# KiCad board PANEL7x5_ADS1293.kicad_pcb (continued)
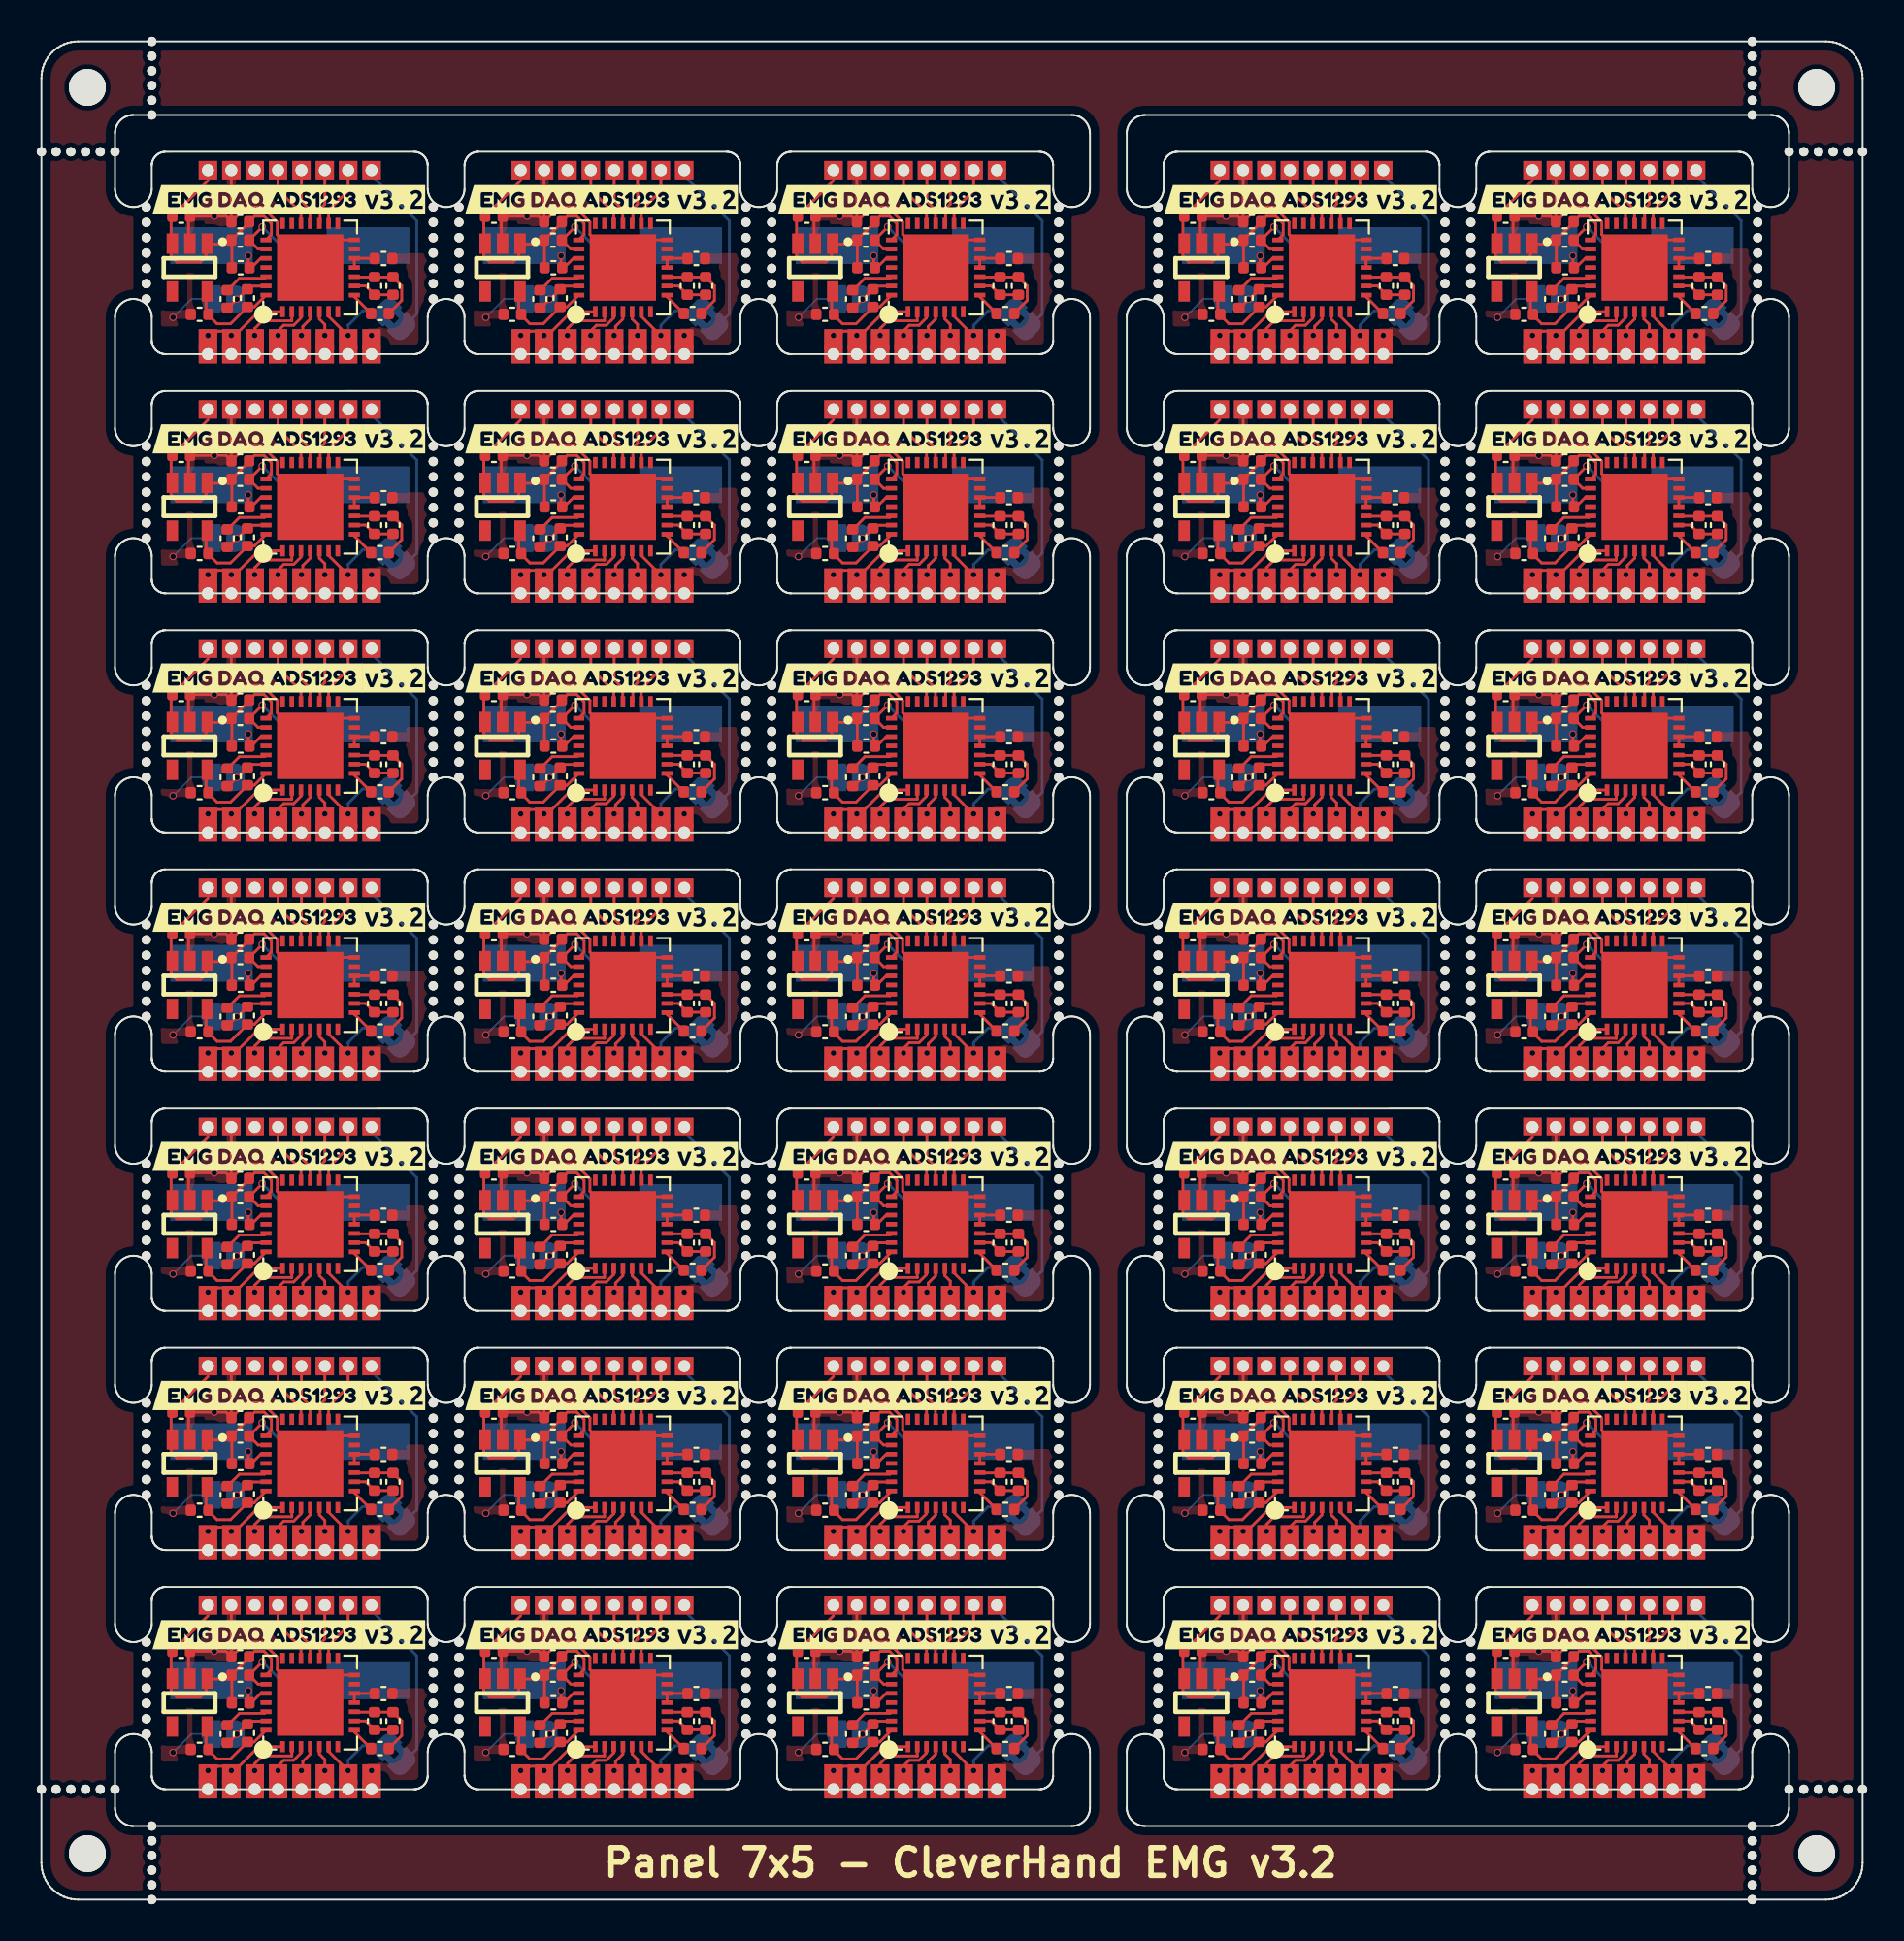
[diagram p0: board, top side]
## Routing (per net, layer and track width the routed paths; a pad name or vN(x,y) marks a point on that pad's centre or on a via; arc(x,y) is an arc through that point) (continued)
Board_17-+3.3VA: length 5.5
  Top w0.15: 42.95,48.62 42.95,47.3 C8#28.1 43.08,47.12 43.55,46.65 44.28,46.65 C1#3.1 45.57,47.57 U1.28
Board_17-/CMOUT: length 1.4
  Top w0.15: R1#7.2 51.01,48.12 U1.8
Board_17-/CSB: length 3.3
  Top w0.15: J12#23.1 50.68,53.88 49.61,52.81 U1.16
Board_17-/cvref: length 2.4
  Top w0.15: U1.26 46.12,49.12 44.77,49.12 44.12,48.48 C2#35.1
Board_17-/extRef: length 9.5
  Bottom w0.15: JP2#27.1 54.4,47.18 54.4,52.25 52.15,54.5 ; 52.15,55 J7#3.1
Board_17-/in1: length 6.5
  Top w0.15: 44.33,45.09 44.3,45.09 44.3,46 v1(44.33,46.02) 44.3,46.04 44.3,46.25 ; 44.3,46.25 43.57,46.25 43.34,46.02 v1(43.05,46.02) ; 44.3,46.25 44.75,46.25 45.81,47.31 U1.1 ; 43.05,45.73 J2#20.1
Board_17-/in2: length 4
  Top w0.15: U1.2 47.61,46.81 46.01,46.81 45.59,46.4 v1(45.59,46.02) 45.59,45.09
Board_17-/in3: length 3.1
  Top w0.15: J5#35.1 v1(46.87,46.02) 46.87,46.27 47.17,46.57 47.71,46.57 48.11,46.97 U1.3
Board_17-/in4: length 2.6
  Top w0.15: U1.4 48.61,46.91 48.21,46.51 48.21,46.09 v1(48.14,46.02) 48.21,45.94 48.21,45.08 J6.1 ; 48.11,45.11 48.14,45.09
Board_17-/in5: length 2.5
  Top w0.15: U1.5 49.11,46.91 49.41,46.62 v1(49.41,46.02) J8#3.1 ; 49.32,45.09 49.41,45.09
Board_17-/in6: length 7.3
  Top w0.15: U1.6 49.61,47.06 50.68,45.99 J15#27.1
  Bottom w0.15: J15#27.1 v1(50.68,46.02) 50.68,46.58 51.46,47.36 JP2#27.2 52.74,47.09 52.55,46.9
Board_17-/PICO: length 3.1
  Top w0.15: U1.18 48.6,52.12 48.6,52.85 48.14,53.31 J10#5.1
Board_17-/POCI: length 3.4
  Top w0.15: J9#24.1 46.87,53.94 48.11,52.69 U1.19
Board_17-/RLDINV: length 4.6
  Top w0.15: U1.10 51.03,49.19 C6#22.1 R2#13.1 53.59,48.72 53.59,47.92 R1#7.1
Board_17-/RLDOUT: length 2.3
  Top w0.15: R2#13.2 C6#22.2 51.63,48.71 U1.9
Board_17-/RLDREF: length 1.6
  Top w0.15: C7#34.1 52.11,50.21 U1.12 U1.11
Board_17-/SCLK: length 2.5
  Top w0.15: U1.17 49.15,52.15 49.15,52.9 49.41,53.16 49.41,54.5
Board_17-GND: length 18.1
  Top w0.15: 44.33,54.5 44.33,52.21 C5#32.2 ; C5#32.2 44.03,52.5 C9#31.2 42,52.42 42,50.98 ; C5#32.2 45.13,53 46,53 46.82,52.18 46.82,51.5 U1.29 50.11,51.21 U1.14
  Bottom w0.1: JP1#15.1 42.16,48 v1(41.16,47)
  vias: v1(43.4,52.5)
Board_17-GNDA: length 2.7
  Top w0.15: v1(44.62,47.99) 44.16,47.52 C2#35.2 ; v1(44.62,47.99) 44.67,47.95 ; v1(44.62,47.99) 44.66,47.99 C1#3.2 45.37,48.7 46.2,48.7 U1.27
  vias: v1(51.95,46.02)
Board_17-XTAL1: length 8.3
  Top w0.15: U1.23 45.78,50.71 C4#27.2 46,51.91 v1(46,51.92)
  Bottom w0.15: Y1#27.1 47.02,50.9 v1(46,51.92)
Board_17-XTAL2: length 4.2
  Top w0.15: v1(45.25,50.35) 45.25,49.66 45.31,49.6 45.92,50.21 U1.24
  Bottom w0.15: v1(45.25,50.35) 44.7,50.9 Y1#27.2
Board_18-+3.3V: length 14.8
  Top w0.15: C4#13.1 65.12,50.98 63.95,50.98 63.95,50.31 63.64,50 62.36,50 62.05,50.31 62.05,52.43 C9#2.1 64.06,54.44 ; C4#13.1 65.35,51.18 65.35,49.6 ; C4#13.1 66.29,52.16 C5#18.1 66.59,52.5 67.1,52.5 67.5,52.1 67.5,51.5 U1#34.22 ; J13#4.1 64.06,54.94
Board_18-+3.3VA: length 5.5
  Top w0.15: 63.95,48.62 63.95,47.3 C8#27.1 64.08,47.12 64.55,46.65 65.28,46.65 C1#32.1 66.57,47.57 U1#34.28
Board_18-/CMOUT: length 1.4
  Top w0.15: U1#34.8 72.01,48.12 R1#4.2
Board_18-/CSB: length 3.3
  Top w0.15: J12#5.1 71.67,53.88 70.61,52.81 U1#34.16
Board_18-/cvref: length 2.4
  Top w0.15: C2#27.1 65.12,48.48 65.77,49.12 67.12,49.12 U1#34.26
Board_18-/extRef: length 9.5
  Bottom w0.15: JP2#10.1 75.4,47.18 75.4,52.25 73.15,54.5 ; 73.15,55 J7#16.1
Board_18-/in1: length 6.5
  Top w0.15: 64.06,45.73 J2#16.1 ; 65.31,46.25 65.75,46.25 66.81,47.31 U1#34.1 ; 65.31,46.25 65.31,46.04 v1(65.33,46.02) 65.31,46 65.31,45.09 65.33,45.09 ; 65.31,46.25 64.57,46.25 64.34,46.02 v1(64.06,46.02)
Board_18-/in2: length 4
  Top w0.15: 66.59,45.09 v1(66.59,46.02) 66.59,46.4 67.01,46.81 68.61,46.81 U1#34.2
Board_18-/in3: length 3.1
  Top w0.15: J5#24.1 v1(67.87,46.02) 67.87,46.27 68.17,46.57 68.71,46.57 69.11,46.97 U1#34.3
Board_18-/in4: length 2.6
  Top w0.15: J6#2.1 69.21,45.08 69.21,45.94 v1(69.14,46.02) 69.21,46.09 69.21,46.51 69.61,46.91 U1#34.4 ; 69.11,45.11 69.14,45.09
Board_18-/in5: length 2.5
  Top w0.15: J8#17.1 v1(70.41,46.02) 70.41,46.62 70.11,46.91 U1#34.5 ; 70.32,45.09 70.41,45.09
Board_18-/in6: length 7.3
  Top w0.15: J15#19.1 71.67,45.99 70.61,47.06 U1#34.6
  Bottom w0.15: J15#19.1 v1(71.67,46.02) 71.67,46.58 72.46,47.36 JP2#10.2 73.74,47.09 73.55,46.9
Board_18-/PICO: length 3.1
  Top w0.15: J10#23.1 69.14,53.31 69.6,52.85 69.6,52.12 U1#34.18
Board_18-/POCI: length 3.4
  Top w0.15: J9#31.1 67.87,53.94 69.11,52.69 U1#34.19
Board_18-/RLDINV: length 4.6
  Top w0.15: R1#4.1 74.59,47.92 74.59,48.72 R2#17.1 C6#12.1 72.03,49.19 U1#34.10
Board_18-/RLDOUT: length 2.3
  Top w0.15: U1#34.9 72.63,48.71 C6#12.2 R2#17.2
Board_18-/RLDREF: length 1.6
  Top w0.15: U1#34.11 U1#34.12 73.11,50.21 C7#24.1
Board_18-/SCLK: length 2.5
  Top w0.15: 70.41,54.5 70.41,53.16 70.15,52.9 70.15,52.15 U1#34.17
Board_18-GND: length 18.1
  Top w0.15: 63,50.98 63,52.42 C9#2.2 65.03,52.5 C5#18.2 ; 65.33,54.5 65.33,52.21 C5#18.2 ; U1#34.14 71.11,51.21 U1#34.29 67.82,51.5 67.82,52.18 67,53 66.13,53 C5#18.2
  Bottom w0.1: v1(62.16,47) 63.16,48 JP1#20.1
  vias: v1(64.4,52.5)
Board_18-GNDA: length 2.7
  Top w0.15: C2#27.2 65.16,47.52 v1(65.62,47.99) ; v1(65.62,47.99) 65.66,47.99 C1#32.2 66.37,48.7 67.2,48.7 U1#34.27 ; v1(65.62,47.99) 65.67,47.95
  vias: v1(72.94,46.02)
Board_18-XTAL1: length 8.3
  Top w0.15: U1#34.23 66.78,50.71 C4#13.2 67,51.91 v1(67,51.92)
  Bottom w0.15: Y1#14.1 68.03,50.9 v1(67,51.92)
Board_18-XTAL2: length 4.2
  Top w0.15: v1(66.25,50.35) 66.25,49.66 66.31,49.6 66.92,50.21 U1#34.24
  Bottom w0.15: Y1#14.2 65.7,50.9 v1(66.25,50.35)
Board_19-+3.3V: length 14.8
  Top w0.15: C4#12.1 82.12,50.98 80.95,50.98 80.95,50.31 80.64,50 79.36,50 79.05,50.31 79.05,52.43 C9#28.1 81.06,54.44 ; C4#12.1 82.35,51.18 82.35,49.6 ; C4#12.1 83.29,52.16 C5#35.1 83.59,52.5 84.1,52.5 84.5,52.1 84.5,51.5 U1#24.22 ; J13#6.1 81.06,54.94
Board_19-+3.3VA: length 5.5
  Top w0.15: 80.95,48.62 80.95,47.3 C8#7.1 81.08,47.12 81.55,46.65 82.28,46.65 C1#2.1 83.57,47.57 U1#24.28
Board_19-/CMOUT: length 1.4
  Top w0.15: U1#24.8 89.01,48.12 R1#18.2
Board_19-/CSB: length 3.3
  Top w0.15: U1#24.16 87.61,52.81 88.68,53.88 J12#22.1
Board_19-/cvref: length 2.4
  Top w0.15: U1#24.26 84.12,49.12 82.77,49.12 82.12,48.48 C2#26.1
Board_19-/extRef: length 9.5
  Bottom w0.15: 90.15,54.5 92.4,52.25 92.4,47.18 JP2#34.1 ; 90.15,55 J7#15.1
Board_19-/in1: length 6.5
  Top w0.15: 82.31,46.25 81.57,46.25 81.34,46.02 v1(81.06,46.02) ; 82.31,46.25 82.75,46.25 83.81,47.31 U1#24.1 ; 82.31,46.25 82.31,46.04 v1(82.33,46.02) 82.31,46 82.31,45.09 82.33,45.09 ; 81.06,45.73 J2#23.1
Board_19-/in2: length 4
  Top w0.15: U1#24.2 85.61,46.81 84.01,46.81 83.59,46.4 v1(83.59,46.02) 83.59,45.09
Board_19-/in3: length 3.1
  Top w0.15: J5#29.1 v1(84.87,46.02) 84.87,46.27 85.17,46.57 85.71,46.57 86.11,46.97 U1#24.3
Board_19-/in4: length 2.6
  Top w0.15: 86.11,45.11 86.14,45.09 ; U1#24.4 86.61,46.91 86.21,46.51 86.21,46.09 v1(86.14,46.02) 86.21,45.94 86.21,45.08 J6#26.1
Board_19-/in5: length 2.5
  Top w0.15: U1#24.5 87.11,46.91 87.41,46.62 v1(87.41,46.02) J8#32.1 ; 87.32,45.09 87.41,45.09
Board_19-/in6: length 7.3
  Top w0.15: J15#30.1 88.68,45.99 87.61,47.06 U1#24.6
  Bottom w0.15: J15#30.1 v1(88.68,46.02) 88.68,46.58 89.46,47.36 JP2#34.2 90.74,47.09 90.55,46.9
Board_19-/PICO: length 3.1
  Top w0.15: U1#24.18 86.6,52.12 86.6,52.85 86.14,53.31 J10#21.1
Board_19-/POCI: length 3.4
  Top w0.15: U1#24.19 86.11,52.69 84.87,53.94 J9#14.1
Board_19-/RLDINV: length 4.6
  Top w0.15: U1#24.10 89.03,49.19 C6#11.1 R2#10.1 91.59,48.72 91.59,47.92 R1#18.1
Board_19-/RLDOUT: length 2.3
  Top w0.15: U1#24.9 89.63,48.71 C6#11.2 R2#10.2
Board_19-/RLDREF: length 1.6
  Top w0.15: U1#24.11 U1#24.12 90.11,50.21 C7#5.1
Board_19-/SCLK: length 2.5
  Top w0.15: U1#24.17 87.15,52.15 87.15,52.9 87.41,53.16 87.41,54.5
Board_19-GND: length 18.1
  Top w0.15: C5#35.2 82.03,52.5 C9#28.2 80,52.42 80,50.98 ; C5#35.2 83.13,53 84,53 84.82,52.18 84.82,51.5 U1#24.29 88.11,51.21 U1#24.14 ; C5#35.2 82.33,52.21 82.33,54.5
  Bottom w0.1: JP1#19.1 80.16,48 v1(79.16,47)
  vias: v1(81.4,52.5)
Board_19-GNDA: length 2.7
  Top w0.15: U1#24.27 84.2,48.7 83.37,48.7 C1#2.2 82.66,47.99 v1(82.62,47.99) ; v1(82.62,47.99) 82.16,47.52 C2#26.2 ; v1(82.62,47.99) 82.67,47.95
  vias: v1(89.94,46.02)
Board_19-XTAL1: length 8.3
  Top w0.15: U1#24.23 83.78,50.71 C4#12.2 84,51.91 v1(84,51.92)
  Bottom w0.15: v1(84,51.92) 85.03,50.9 Y1#26.1
Board_19-XTAL2: length 4.2
  Top w0.15: v1(83.25,50.35) 83.25,49.66 83.31,49.6 83.92,50.21 U1#24.24
  Bottom w0.15: v1(83.25,50.35) 82.7,50.9 Y1#26.2
Board_20-+3.3V: length 14.8
  Top w0.15: C4#28.1 10.35,38.18 10.35,36.6 ; C4#28.1 10.12,37.98 8.95,37.98 8.95,37.31 8.64,37 7.36,37 7.05,37.31 7.05,39.43 C9#8.1 9.05,41.44 ; C4#28.1 11.29,39.16 C5#33.1 11.59,39.5 12.1,39.5 12.5,39.1 12.5,38.5 U1#26.22 ; J13#17.1 9.05,41.94
Board_20-+3.3VA: length 5.5
  Top w0.15: 8.95,35.61 8.95,34.3 C8#15.1 9.08,34.12 9.55,33.65 10.28,33.65 C1#20.1 11.57,34.57 U1#26.28
Board_20-/CMOUT: length 1.4
  Top w0.15: U1#26.8 17.01,35.12 R1#31.2
Board_20-/CSB: length 3.3
  Top w0.15: J12#24.1 16.68,40.88 15.61,39.81 U1#26.16
Board_20-/cvref: length 2.4
  Top w0.15: C2#22.1 10.12,35.48 10.77,36.12 12.12,36.12 U1#26.26
Board_20-/extRef: length 9.5
  Bottom w0.15: 18.15,41.5 20.4,39.25 20.4,34.18 JP2#2.1 ; 18.15,42 J7#5.1
Board_20-/in1: length 6.5
  Top w0.15: 10.3,33.25 10.3,33.04 v1(10.33,33.02) 10.3,33 10.3,32.08 10.33,32.08 ; 10.3,33.25 9.57,33.25 9.34,33.02 v1(9.05,33.02) ; 10.3,33.25 10.75,33.25 11.81,34.31 U1#26.1 ; 9.05,32.73 J2#15.1
Board_20-/in2: length 4
  Top w0.15: 11.59,32.08 v1(11.59,33.02) 11.59,33.39 12.01,33.81 13.61,33.81 U1#26.2
Board_20-/in3: length 3.1
  Top w0.15: J5#2.1 v1(12.87,33.02) 12.87,33.27 13.17,33.57 13.71,33.57 14.11,33.97 U1#26.3
Board_20-/in4: length 2.6
  Top w0.15: J6#31.1 14.21,32.08 14.21,32.94 v1(14.14,33.02) 14.21,33.09 14.21,33.51 14.61,33.91 U1#26.4 ; 14.11,32.11 14.14,32.09
Board_20-/in5: length 2.5
  Top w0.15: U1#26.5 15.11,33.91 15.41,33.62 v1(15.41,33.02) J8#8.1 ; 15.32,32.09 15.41,32.09
Board_20-/in6: length 7.3
  Top w0.15: J15#2.1 16.68,32.99 15.61,34.06 U1#26.6
  Bottom w0.15: J15#2.1 v1(16.68,33.02) 16.68,33.58 17.46,34.36 JP2#2.2 18.74,34.09 18.55,33.9
Board_20-/PICO: length 3.1
  Top w0.15: J10#29.1 14.14,40.31 14.6,39.85 14.6,39.12 U1#26.18
Board_20-/POCI: length 3.4
  Top w0.15: U1#26.19 14.11,39.69 12.87,40.94 J9#26.1
Board_20-/RLDINV: length 4.6
  Top w0.15: U1#26.10 17.03,36.19 C6#4.1 R2#11.1 19.59,35.72 19.59,34.92 R1#31.1
Board_20-/RLDOUT: length 2.3
  Top w0.15: U1#26.9 17.63,35.71 C6#4.2 R2#11.2
Board_20-/RLDREF: length 1.6
  Top w0.15: C7#31.1 18.11,37.21 U1#26.12 U1#26.11
Board_20-/SCLK: length 2.5
  Top w0.15: 15.41,41.5 15.41,40.16 15.15,39.9 15.15,39.15 U1#26.17
Board_20-GND: length 18.1
  Top w0.15: 8,37.98 8,39.42 C9#8.2 10.03,39.5 C5#33.2 ; C5#33.2 10.33,39.21 10.33,41.5 ; C5#33.2 11.13,40 12,40 12.82,39.18 12.82,38.5 U1#26.29 16.11,38.21 U1#26.14
  Bottom w0.1: JP1#17.1 8.16,35 v1(7.16,34)
  vias: v1(9.4,39.5)
Board_20-GNDA: length 2.7
  Top w0.15: v1(10.62,34.99) 10.16,34.52 C2#22.2 ; v1(10.62,34.99) 10.66,34.99 C1#20.2 11.37,35.7 12.2,35.7 U1#26.27 ; v1(10.62,34.99) 10.67,34.95
  vias: v1(17.95,33.02)
Board_20-XTAL1: length 8.3
  Top w0.15: U1#26.23 11.78,37.71 C4#28.2 12,38.91 v1(12,38.92)
  Bottom w0.15: Y1#16.1 13.02,37.9 v1(12,38.92)
Board_20-XTAL2: length 4.2
  Top w0.15: U1#26.24 11.92,37.21 11.31,36.6 11.25,36.66 v1(11.25,37.35)
  Bottom w0.15: v1(11.25,37.35) 10.7,37.9 Y1#16.2
Board_21-+3.3V: length 14.8
  Top w0.15: C4#2.1 27.12,37.98 25.95,37.98 25.95,37.31 25.64,37 24.36,37 24.05,37.31 24.05,39.43 C9#12.1 26.06,41.44 ; C4#2.1 27.35,38.18 27.35,36.6 ; C4#2.1 28.29,39.16 C5#10.1 28.59,39.5 29.1,39.5 29.5,39.1 29.5,38.5 U1#19.22 ; J13#29.1 26.06,41.94
Board_21-+3.3VA: length 5.5
  Top w0.15: 25.95,35.61 25.95,34.3 C8#18.1 26.08,34.12 26.55,33.65 27.28,33.65 C1#27.1 28.57,34.57 U1#19.28
Board_21-/CMOUT: length 1.4
  Top w0.15: U1#19.8 34.01,35.12 R1#5.2
Board_21-/CSB: length 3.3
  Top w0.15: U1#19.16 32.61,39.81 33.68,40.88 J12#21.1
Board_21-/cvref: length 2.4
  Top w0.15: C2#4.1 27.12,35.48 27.77,36.12 29.12,36.12 U1#19.26
Board_21-/extRef: length 9.5
  Bottom w0.15: JP2#19.1 37.4,34.18 37.4,39.25 35.15,41.5 ; 35.15,42 J7#29.1
Board_21-/in1: length 6.5
  Top w0.15: 26.06,32.73 J2#11.1 ; v1(26.06,33.02) 26.34,33.02 26.57,33.25 27.31,33.25 ; 27.33,32.08 27.31,32.08 27.31,33 v1(27.33,33.02) 27.31,33.04 27.31,33.25 ; 27.31,33.25 27.75,33.25 28.81,34.31 U1#19.1
Board_21-/in2: length 4
  Top w0.15: U1#19.2 30.61,33.81 29.01,33.81 28.6,33.39 v1(28.6,33.02) 28.6,32.08
Board_21-/in3: length 3.1
  Top w0.15: J5#16.1 v1(29.87,33.02) 29.87,33.27 30.17,33.57 30.71,33.57 31.11,33.97 U1#19.3
Board_21-/in4: length 2.6
  Top w0.15: 31.11,32.11 31.14,32.09 ; U1#19.4 31.61,33.91 31.21,33.51 31.21,33.09 v1(31.14,33.02) 31.21,32.94 31.21,32.08 J6#7.1
Board_21-/in5: length 2.5
  Top w0.15: J8#27.1 v1(32.41,33.02) 32.41,33.62 32.11,33.91 U1#19.5 ; 32.32,32.09 32.41,32.09
Board_21-/in6: length 7.3
  Top w0.15: U1#19.6 32.61,34.06 33.68,32.99 J15#35.1
  Bottom w0.15: 35.55,33.9 35.74,34.09 JP2#19.2 34.46,34.36 33.68,33.58 v1(33.68,33.02) J15#35.1
Board_21-/PICO: length 3.1
  Top w0.15: J10#20.1 31.14,40.31 31.6,39.85 31.6,39.12 U1#19.18
Board_21-/POCI: length 3.4
  Top w0.15: U1#19.19 31.11,39.69 29.87,40.94 J9#28.1
Board_21-/RLDINV: length 4.6
  Top w0.15: U1#19.10 34.03,36.19 C6#9.1 R2#20.1 36.59,35.72 36.59,34.92 R1#5.1
Board_21-/RLDOUT: length 2.3
  Top w0.15: R2#20.2 C6#9.2 34.63,35.71 U1#19.9
Board_21-/RLDREF: length 1.6
  Top w0.15: U1#19.11 U1#19.12 35.11,37.21 C7#35.1
Board_21-/SCLK: length 2.5
  Top w0.15: U1#19.17 32.15,39.15 32.15,39.9 32.41,40.16 32.41,41.5
Board_21-GND: length 18.1
  Top w0.15: 27.33,41.5 27.33,39.21 C5#10.2 ; C5#10.2 28.13,40 29,40 29.82,39.18 29.82,38.5 U1#19.29 33.11,38.21 U1#19.14 ; C5#10.2 27.03,39.5 C9#12.2 25,39.42 25,37.98
  Bottom w0.1: JP1#10.1 25.16,35 v1(24.16,34)
  vias: v1(26.4,39.5)
Board_21-GNDA: length 2.7
  Top w0.15: U1#19.27 29.2,35.7 28.37,35.7 C1#27.2 27.66,34.99 v1(27.63,34.99) ; v1(27.63,34.99) 27.67,34.95 ; v1(27.63,34.99) 27.16,34.52 C2#4.2
  vias: v1(34.95,33.02)
Board_21-XTAL1: length 8.3
  Top w0.15: v1(29,38.92) 29,38.91 C4#2.2 28.78,37.71 U1#19.23
  Bottom w0.15: Y1#7.1 30.03,37.9 v1(29,38.92)
Board_21-XTAL2: length 4.2
  Top w0.15: U1#19.24 28.92,37.21 28.31,36.6 28.25,36.66 v1(28.25,37.35)
  Bottom w0.15: Y1#7.2 27.7,37.9 v1(28.25,37.35)
Board_22-+3.3V: length 14.8
  Top w0.15: C4#7.1 44.35,38.18 44.35,36.6 ; C4#7.1 44.12,37.98 42.95,37.98 42.95,37.31 42.64,37 41.36,37 41.05,37.31 41.05,39.43 C9#32.1 43.05,41.44 ; C4#7.1 45.29,39.16 C5#4.1 45.59,39.5 46.1,39.5 46.5,39.1 46.5,38.5 U1#6.22 ; J13#11.1 43.05,41.94
Board_22-+3.3VA: length 5.5
  Top w0.15: 42.95,35.61 42.95,34.3 C8#30.1 43.08,34.12 43.55,33.65 44.28,33.65 C1#11.1 45.57,34.57 U1#6.28
Board_22-/CMOUT: length 1.4
  Top w0.15: R1#19.2 51.01,35.12 U1#6.8
Board_22-/CSB: length 3.3
  Top w0.15: U1#6.16 49.61,39.81 50.68,40.88 J12#15.1
Board_22-/cvref: length 2.4
  Top w0.15: C2#20.1 44.12,35.48 44.77,36.12 46.12,36.12 U1#6.26
Board_22-/extRef: length 9.5
  Bottom w0.15: 52.15,41.5 54.4,39.25 54.4,34.18 JP2#33.1 ; 52.15,42 J7#9.1
Board_22-/in1: length 6.5
  Top w0.15: 44.3,33.25 44.3,33.04 v1(44.33,33.02) 44.3,33 44.3,32.08 44.33,32.08 ; 44.3,33.25 44.75,33.25 45.81,34.31 U1#6.1 ; 44.3,33.25 43.57,33.25 43.34,33.02 v1(43.05,33.02) ; 43.05,32.73 J2#27.1
Board_22-/in2: length 4
  Top w0.15: U1#6.2 47.61,33.81 46.01,33.81 45.59,33.39 v1(45.59,33.02) 45.59,32.08
Board_22-/in3: length 3.1
  Top w0.15: U1#6.3 48.11,33.97 47.71,33.57 47.17,33.57 46.87,33.27 v1(46.87,33.02) J5#13.1
Board_22-/in4: length 2.6
  Top w0.15: U1#6.4 48.61,33.91 48.21,33.51 48.21,33.09 v1(48.14,33.02) 48.21,32.94 48.21,32.08 J6#5.1 ; 48.11,32.11 48.14,32.09
Board_22-/in5: length 2.5
  Top w0.15: J8#18.1 v1(49.41,33.02) 49.41,33.62 49.11,33.91 U1#6.5 ; 49.32,32.09 49.41,32.09
Board_22-/in6: length 7.3
  Top w0.15: J15#14.1 50.68,32.99 49.61,34.06 U1#6.6
  Bottom w0.15: 52.55,33.9 52.74,34.09 JP2#33.2 51.46,34.36 50.68,33.58 v1(50.68,33.02) J15#14.1
Board_22-/PICO: length 3.1
  Top w0.15: U1#6.18 48.6,39.12 48.6,39.85 48.14,40.31 J10#28.1
Board_22-/POCI: length 3.4
  Top w0.15: U1#6.19 48.11,39.69 46.87,40.94 J9#17.1
Board_22-/RLDINV: length 4.6
  Top w0.15: R1#19.1 53.59,34.92 53.59,35.72 R2#15.1 C6#24.1 51.03,36.19 U1#6.10
Board_22-/RLDOUT: length 2.3
  Top w0.15: U1#6.9 51.63,35.71 C6#24.2 R2#15.2
Board_22-/RLDREF: length 1.6
  Top w0.15: U1#6.11 U1#6.12 52.11,37.21 C7#16.1
Board_22-/SCLK: length 2.5
  Top w0.15: U1#6.17 49.15,39.15 49.15,39.9 49.41,40.16 49.41,41.5
Board_22-GND: length 18.1
  Top w0.15: C5#4.2 44.33,39.21 44.33,41.5 ; C5#4.2 45.13,40 46,40 46.82,39.18 46.82,38.5 U1#6.29 50.11,38.21 U1#6.14 ; C5#4.2 44.03,39.5 C9#32.2 42,39.42 42,37.98
  Bottom w0.1: JP1#6.1 42.16,35 v1(41.16,34)
  vias: v1(43.4,39.5)
Board_22-GNDA: length 2.7
  Top w0.15: U1#6.27 46.2,35.7 45.37,35.7 C1#11.2 44.66,34.99 v1(44.62,34.99) ; C2#20.2 44.16,34.52 v1(44.62,34.99) ; v1(44.62,34.99) 44.67,34.95
  vias: v1(51.95,33.02)
Board_22-XTAL1: length 8.3
  Top w0.15: v1(46,38.92) 46,38.91 C4#7.2 45.78,37.71 U1#6.23
  Bottom w0.15: v1(46,38.92) 47.02,37.9 Y1#22.1
Board_22-XTAL2: length 4.2
  Top w0.15: U1#6.24 45.92,37.21 45.31,36.6 45.25,36.66 v1(45.25,37.35)
  Bottom w0.15: v1(45.25,37.35) 44.7,37.9 Y1#22.2
Board_23-+3.3V: length 14.8
  Top w0.15: C4#5.1 65.35,38.18 65.35,36.6 ; C4#5.1 65.12,37.98 63.95,37.98 63.95,37.31 63.64,37 62.36,37 62.05,37.31 62.05,39.43 C9#4.1 64.06,41.44 ; C4#5.1 66.29,39.16 C5#22.1 66.59,39.5 67.1,39.5 67.5,39.1 67.5,38.5 U1#8.22 ; J13#35.1 64.06,41.94
Board_23-+3.3VA: length 5.5
  Top w0.15: U1#8.28 66.57,34.57 C1#26.1 65.28,33.65 64.55,33.65 64.08,34.12 C8#20.1 63.95,34.3 63.95,35.61
Board_23-/CMOUT: length 1.4
  Top w0.15: R1#20.2 72.01,35.12 U1#8.8
Board_23-/CSB: length 3.3
  Top w0.15: J12#4.1 71.67,40.88 70.61,39.81 U1#8.16
Board_23-/cvref: length 2.4
  Top w0.15: U1#8.26 67.12,36.12 65.77,36.12 65.12,35.48 C2#18.1
Board_23-/extRef: length 9.5
  Bottom w0.15: JP2#21.1 75.4,34.18 75.4,39.25 73.15,41.5 ; 73.15,42 J7#7.1
Board_23-/in1: length 6.5
  Top w0.15: 65.31,33.25 65.31,33.04 v1(65.33,33.02) 65.31,33 65.31,32.08 65.33,32.08 ; 65.31,33.25 65.75,33.25 66.81,34.31 U1#8.1 ; 65.31,33.25 64.57,33.25 64.34,33.02 v1(64.06,33.02) ; 64.06,32.73 J2#35.1
Board_23-/in2: length 4
  Top w0.15: 66.59,32.08 v1(66.59,33.02) 66.59,33.39 67.01,33.81 68.61,33.81 U1#8.2
Board_23-/in3: length 3.1
  Top w0.15: U1#8.3 69.11,33.97 68.71,33.57 68.17,33.57 67.87,33.27 v1(67.87,33.02) J5#22.1
Board_23-/in4: length 2.6
  Top w0.15: 69.11,32.11 69.14,32.09 ; J6#9.1 69.21,32.08 69.21,32.94 v1(69.14,33.02) 69.21,33.09 69.21,33.51 69.61,33.91 U1#8.4
Board_23-/in5: length 2.5
  Top w0.15: U1#8.5 70.11,33.91 70.41,33.62 v1(70.41,33.02) J8#30.1 ; 70.32,32.09 70.41,32.09
Board_23-/in6: length 7.3
  Top w0.15: J15#31.1 71.67,32.99 70.61,34.06 U1#8.6
  Bottom w0.15: 73.55,33.9 73.74,34.09 JP2#21.2 72.46,34.36 71.67,33.58 v1(71.67,33.02) J15#31.1
Board_23-/PICO: length 3.1
  Top w0.15: U1#8.18 69.6,39.12 69.6,39.85 69.14,40.31 J10#17.1
Board_23-/POCI: length 3.4
  Top w0.15: J9#29.1 67.87,40.94 69.11,39.69 U1#8.19
Board_23-/RLDINV: length 4.6
  Top w0.15: R1#20.1 74.59,34.92 74.59,35.72 R2#33.1 C6#25.1 72.03,36.19 U1#8.10
Board_23-/RLDOUT: length 2.3
  Top w0.15: U1#8.9 72.63,35.71 C6#25.2 R2#33.2
Board_23-/RLDREF: length 1.6
  Top w0.15: C7#23.1 73.11,37.21 U1#8.12 U1#8.11
Board_23-/SCLK: length 2.5
  Top w0.15: U1#8.17 70.15,39.15 70.15,39.9 70.41,40.16 70.41,41.5
Board_23-GND: length 18.1
  Top w0.15: 65.33,41.5 65.33,39.21 C5#22.2 ; 63,37.98 63,39.42 C9#4.2 65.03,39.5 C5#22.2 ; U1#8.14 71.11,38.21 U1#8.29 67.82,38.5 67.82,39.18 67,40 66.13,40 C5#22.2
  Bottom w0.1: JP1#25.1 63.16,35 v1(62.16,34)
  vias: v1(64.4,39.5)
Board_23-GNDA: length 2.7
  Top w0.15: v1(65.62,34.99) 65.66,34.99 C1#26.2 66.37,35.7 67.2,35.7 U1#8.27 ; v1(65.62,34.99) 65.16,34.52 C2#18.2 ; v1(65.62,34.99) 65.67,34.95
  vias: v1(72.94,33.02)
Board_23-XTAL1: length 8.3
  Top w0.15: U1#8.23 66.78,37.71 C4#5.2 67,38.91 v1(67,38.92)
  Bottom w0.15: Y1#29.1 68.03,37.9 v1(67,38.92)
Board_23-XTAL2: length 4.2
  Top w0.15: U1#8.24 66.92,37.21 66.31,36.6 66.25,36.66 v1(66.25,37.35)
  Bottom w0.15: Y1#29.2 65.7,37.9 v1(66.25,37.35)
Board_24-+3.3V: length 14.8
  Top w0.15: C4#22.1 83.29,39.16 C5.1 83.59,39.5 84.1,39.5 84.5,39.1 84.5,38.5 U1#33.22 ; C4#22.1 82.12,37.98 80.95,37.98 80.95,37.31 80.64,37 79.36,37 79.05,37.31 79.05,39.43 C9#33.1 81.06,41.44 ; C4#22.1 82.35,38.18 82.35,36.6 ; J13#9.1 81.06,41.94
Board_24-+3.3VA: length 5.5
  Top w0.15: U1#33.28 83.57,34.57 C1#4.1 82.28,33.65 81.55,33.65 81.08,34.12 C8.1 80.95,34.3 80.95,35.61
Board_24-/CMOUT: length 1.4
  Top w0.15: R1#21.2 89.01,35.12 U1#33.8
Board_24-/CSB: length 3.3
  Top w0.15: U1#33.16 87.61,39.81 88.68,40.88 J12#34.1
Board_24-/cvref: length 2.4
  Top w0.15: C2#24.1 82.12,35.48 82.77,36.12 84.12,36.12 U1#33.26
Board_24-/extRef: length 9.5
  Bottom w0.15: 90.15,41.5 92.4,39.25 92.4,34.18 JP2#13.1 ; 90.15,42 J7#17.1
Board_24-/in1: length 6.5
  Top w0.15: 82.33,32.08 82.31,32.08 82.31,33 v1(82.33,33.02) 82.31,33.04 82.31,33.25 ; 81.06,32.73 J2#13.1 ; U1#33.1 83.81,34.31 82.75,33.25 82.31,33.25 ; 82.31,33.25 81.57,33.25 81.34,33.02 v1(81.06,33.02)
Board_24-/in2: length 4
  Top w0.15: 83.59,32.08 v1(83.59,33.02) 83.59,33.39 84.01,33.81 85.61,33.81 U1#33.2
Board_24-/in3: length 3.1
  Top w0.15: J5#17.1 v1(84.87,33.02) 84.87,33.27 85.17,33.57 85.71,33.57 86.11,33.97 U1#33.3
Board_24-/in4: length 2.6
  Top w0.15: U1#33.4 86.61,33.91 86.21,33.51 86.21,33.09 v1(86.14,33.02) 86.21,32.94 86.21,32.08 J6#29.1 ; 86.11,32.11 86.14,32.09
Board_24-/in5: length 2.5
  Top w0.15: U1#33.5 87.11,33.91 87.41,33.62 v1(87.41,33.02) J8#33.1 ; 87.32,32.09 87.41,32.09
Board_24-/in6: length 7.3
  Top w0.15: J15#20.1 88.68,32.99 87.61,34.06 U1#33.6
  Bottom w0.15: J15#20.1 v1(88.68,33.02) 88.68,33.58 89.46,34.36 JP2#13.2 90.74,34.09 90.55,33.9
Board_24-/PICO: length 3.1
  Top w0.15: J10#26.1 86.14,40.31 86.6,39.85 86.6,39.12 U1#33.18
Board_24-/POCI: length 3.4
  Top w0.15: U1#33.19 86.11,39.69 84.87,40.94 J9#35.1
Board_24-/RLDINV: length 4.6
  Top w0.15: U1#33.10 89.03,36.19 C6#33.1 R2#22.1 91.59,35.72 91.59,34.92 R1#21.1
Board_24-/RLDOUT: length 2.3
  Top w0.15: R2#22.2 C6#33.2 89.63,35.71 U1#33.9
Board_24-/RLDREF: length 1.6
  Top w0.15: U1#33.11 U1#33.12 90.11,37.21 C7#28.1
Board_24-/SCLK: length 2.5
  Top w0.15: U1#33.17 87.15,39.15 87.15,39.9 87.41,40.16 87.41,41.5
Board_24-GND: length 18.1
  Top w0.15: U1#33.14 88.11,38.21 U1#33.29 84.82,38.5 84.82,39.18 84,40 83.13,40 C5.2 ; 82.33,41.5 82.33,39.21 C5.2 ; 80,37.98 80,39.42 C9#33.2 82.03,39.5 C5.2
  Bottom w0.1: v1(79.16,34) 80.16,35 JP1#32.1
  vias: v1(81.4,39.5)
Board_24-GNDA: length 2.7
  Top w0.15: v1(82.62,34.99) 82.66,34.99 C1#4.2 83.37,35.7 84.2,35.7 U1#33.27 ; v1(82.62,34.99) 82.16,34.52 C2#24.2 ; v1(82.62,34.99) 82.67,34.95
  vias: v1(89.94,33.02)
Board_24-XTAL1: length 8.3
  Top w0.15: U1#33.23 83.78,37.71 C4#22.2 84,38.91 v1(84,38.92)
  Bottom w0.15: Y1#35.1 85.03,37.9 v1(84,38.92)
Board_24-XTAL2: length 4.2
  Top w0.15: U1#33.24 83.92,37.21 83.31,36.6 83.25,36.66 v1(83.25,37.35)
  Bottom w0.15: Y1#35.2 82.7,37.9 v1(83.25,37.35)
Board_25-+3.3V: length 14.8
  Top w0.15: U1#14.22 12.5,25.5 12.5,26.1 12.1,26.5 11.59,26.5 C5#5.1 11.29,26.16 C4#19.1 ; C4#19.1 10.12,24.98 8.95,24.98 8.95,24.31 8.64,24 7.36,24 7.05,24.31 7.05,26.43 C9#25.1 9.05,28.44 ; C4#19.1 10.35,25.18 10.35,23.6 ; J13#13.1 9.05,28.94
Board_25-+3.3VA: length 5.5
  Top w0.15: U1#14.28 11.57,21.57 C1#33.1 10.28,20.65 9.55,20.65 9.08,21.12 C8#31.1 8.95,21.3 8.95,22.61
Board_25-/CMOUT: length 1.4
  Top w0.15: U1#14.8 17.01,22.12 R1#16.2
Board_25-/CSB: length 3.3
  Top w0.15: J12#32.1 16.68,27.88 15.61,26.81 U1#14.16
Board_25-/cvref: length 2.4
  Top w0.15: U1#14.26 12.12,23.12 10.77,23.12 10.12,22.48 C2#13.1
Board_25-/extRef: length 9.5
  Bottom w0.15: JP2#6.1 20.4,21.18 20.4,26.25 18.15,28.5 ; 18.15,29 J7#12.1
Board_25-/in1: length 6.5
  Top w0.15: U1#14.1 11.81,21.31 10.75,20.25 10.3,20.25 ; 10.3,20.25 10.3,20.04 v1(10.33,20.02) 10.3,20 10.3,19.08 10.33,19.08 ; 10.3,20.25 9.57,20.25 9.34,20.02 v1(9.05,20.02) ; 9.05,19.73 J2#14.1
Board_25-/in2: length 4
  Top w0.15: U1#14.2 13.61,20.81 12.01,20.81 11.59,20.39 v1(11.59,20.02) 11.59,19.08
Board_25-/in3: length 3.1
  Top w0.15: J5#21.1 v1(12.87,20.02) 12.87,20.27 13.17,20.57 13.71,20.57 14.11,20.97 U1#14.3
Board_25-/in4: length 2.6
  Top w0.15: J6#25.1 14.21,19.08 14.21,19.94 v1(14.14,20.02) 14.21,20.09 14.21,20.51 14.61,20.91 U1#14.4 ; 14.11,19.11 14.14,19.09
Board_25-/in5: length 2.5
  Top w0.15: U1#14.5 15.11,20.91 15.41,20.62 v1(15.41,20.02) J8#9.1 ; 15.32,19.09 15.41,19.09
Board_25-/in6: length 7.3
  Top w0.15: U1#14.6 15.61,21.06 16.68,19.99 J15#3.1